# Altium PCB PiTopAIO.PcbDoc
Units mm, origin at the board's own origin, x right, y up, seen from the top; angles counter-clockwise.
Board outline 76.75 x 95.05 mm, 2 copper layers (Top Layer, Bottom Layer), stack 1.671 mm thick; 61 components, 79 nets, 411 pads, 169 vias.
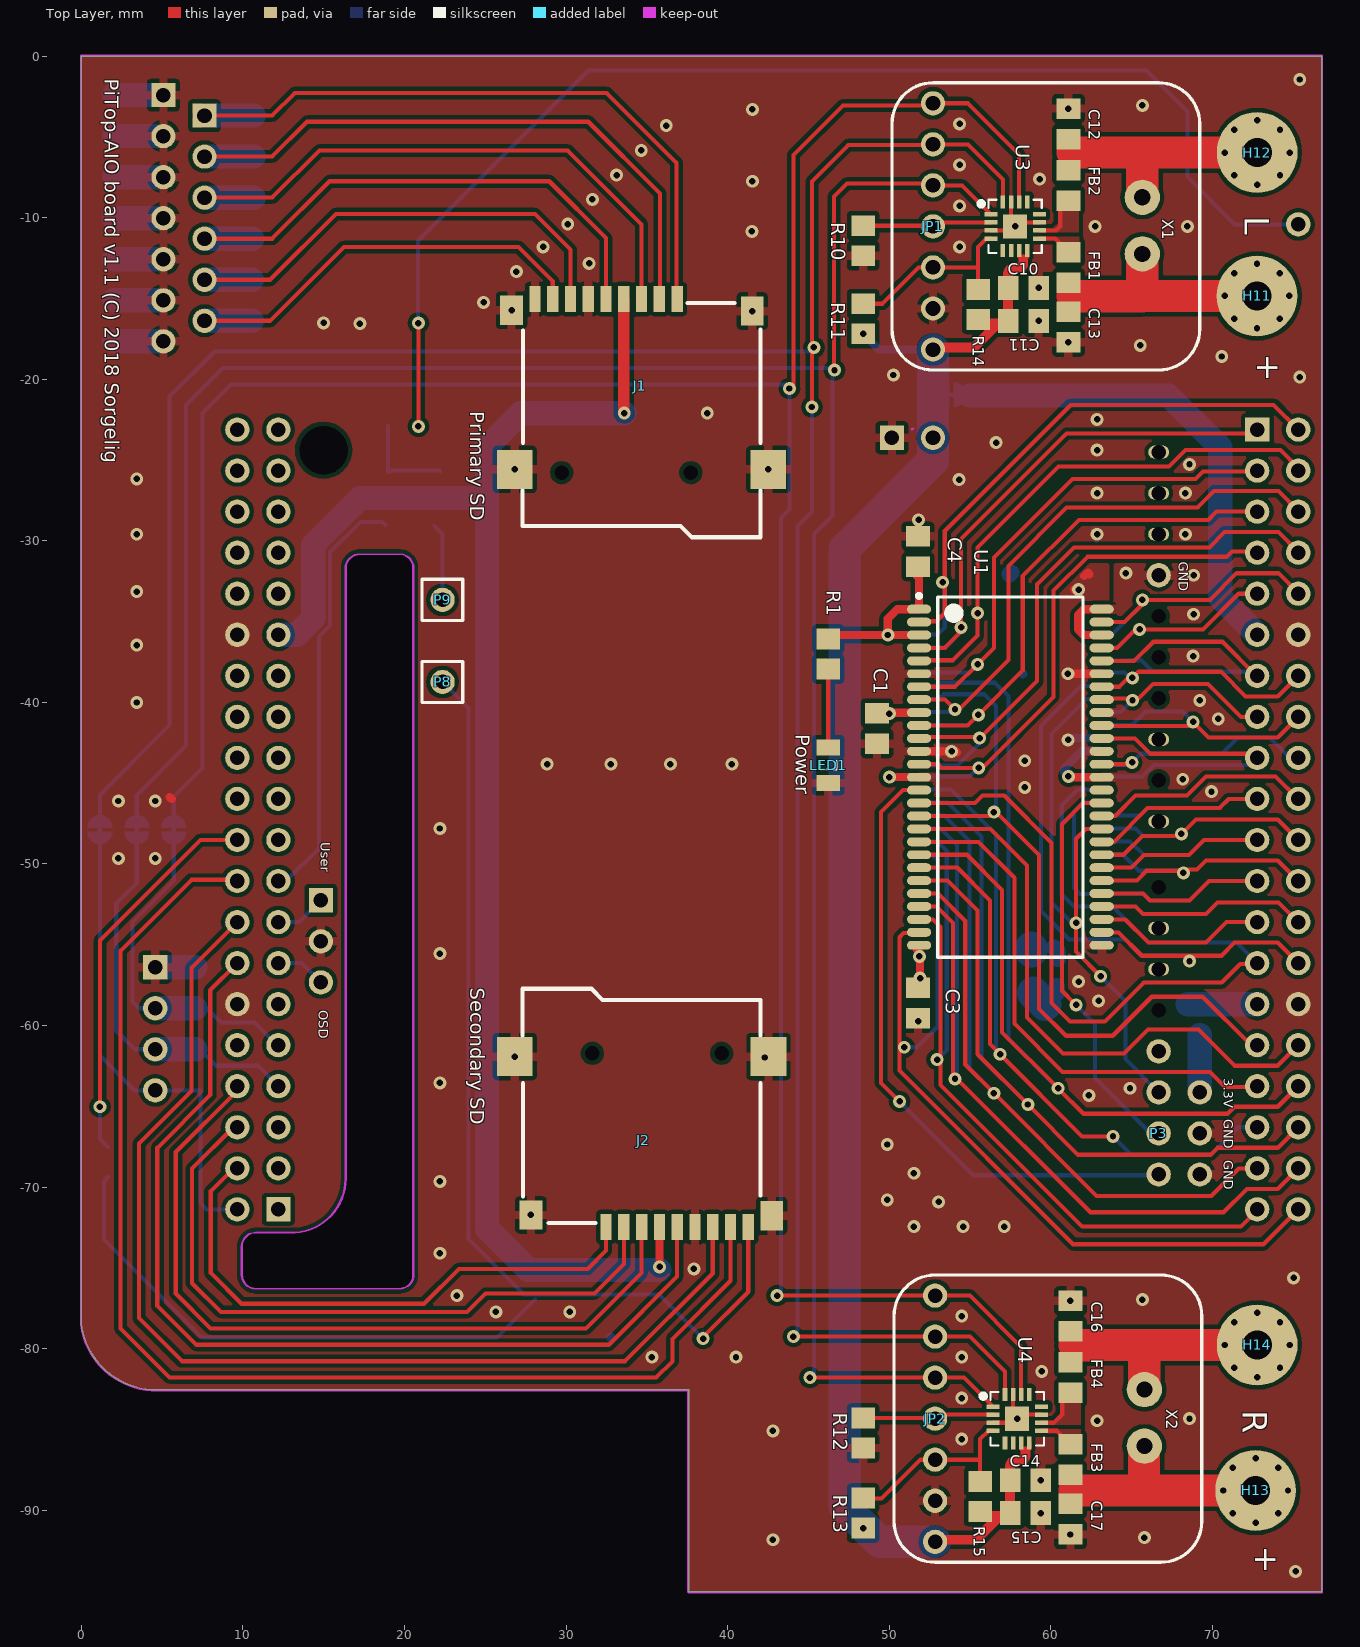
[diagram p0: Top Layer view]
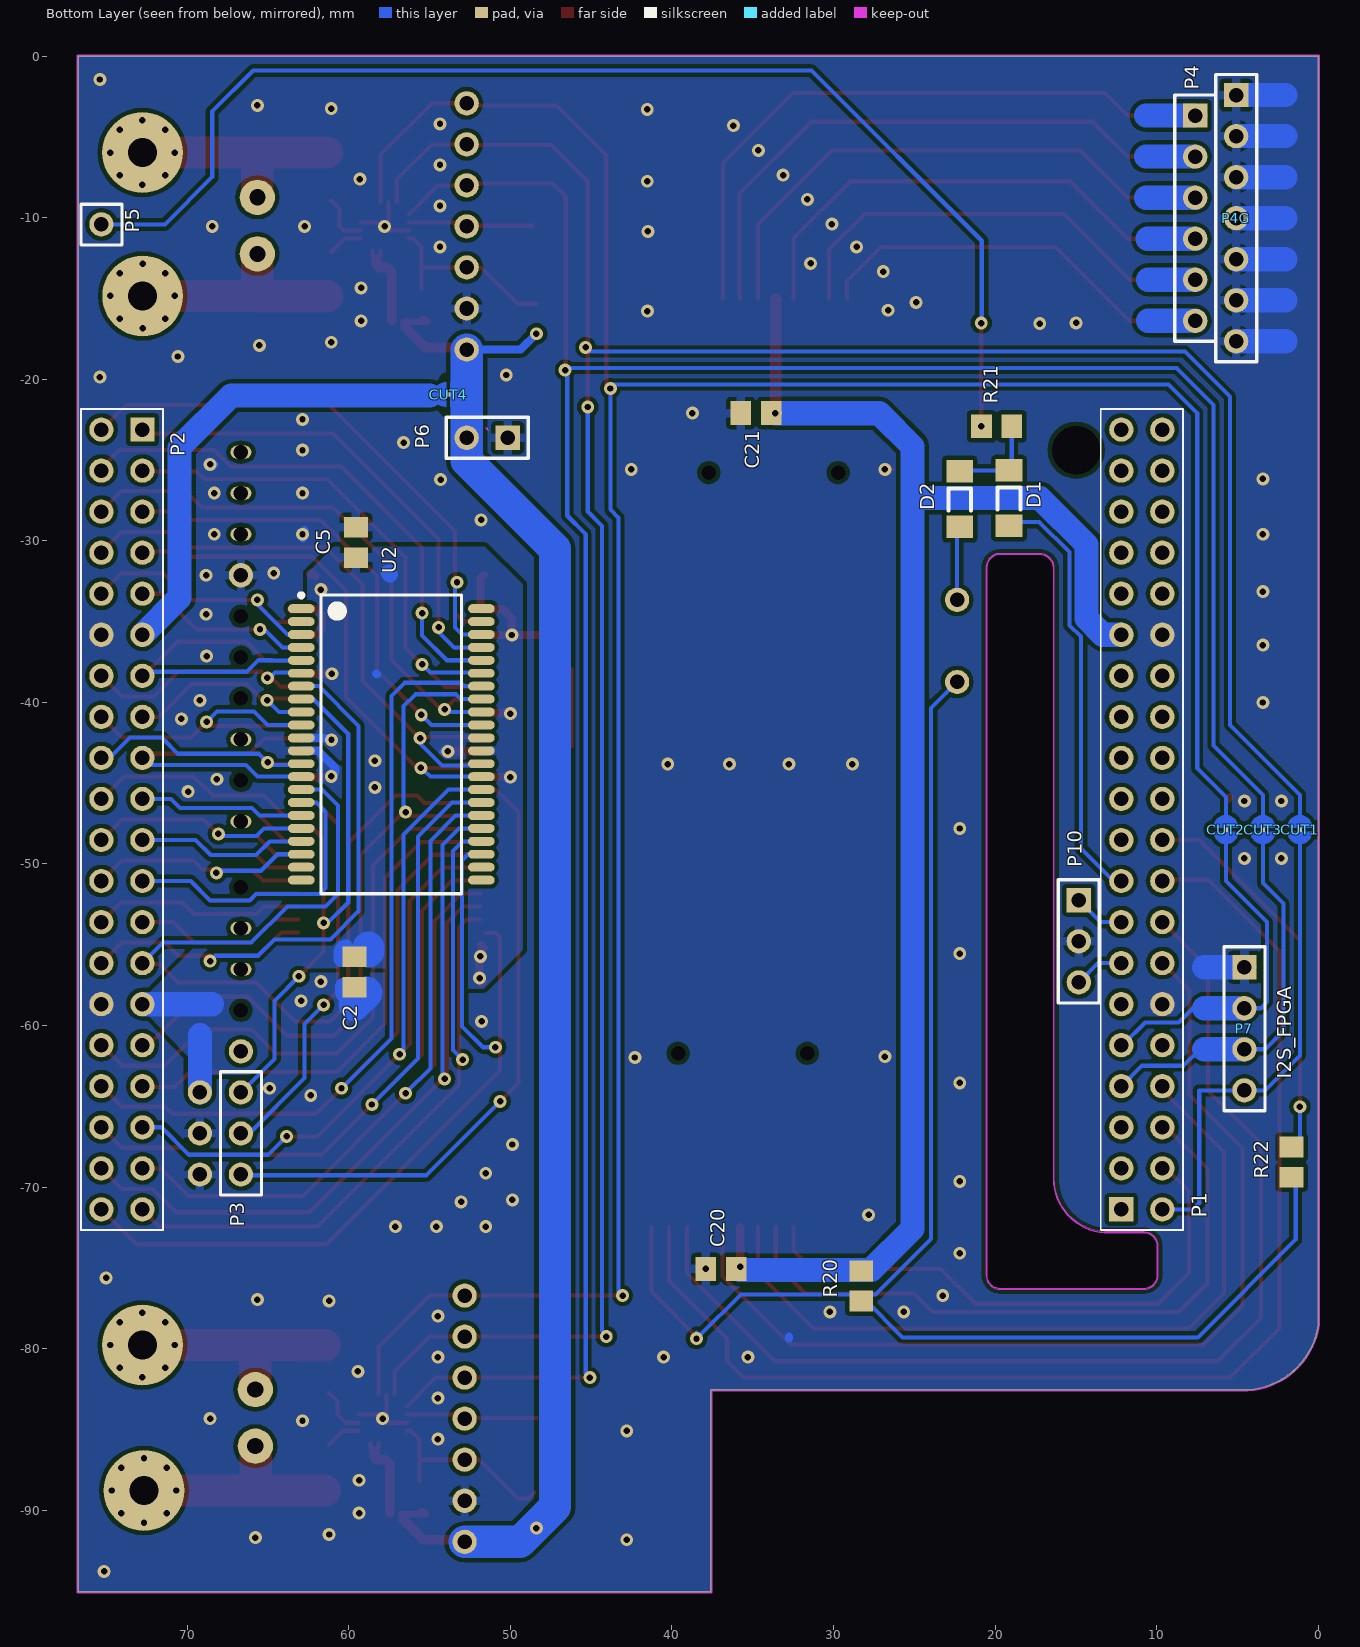
[diagram p1: Bottom Layer view, seen from below]
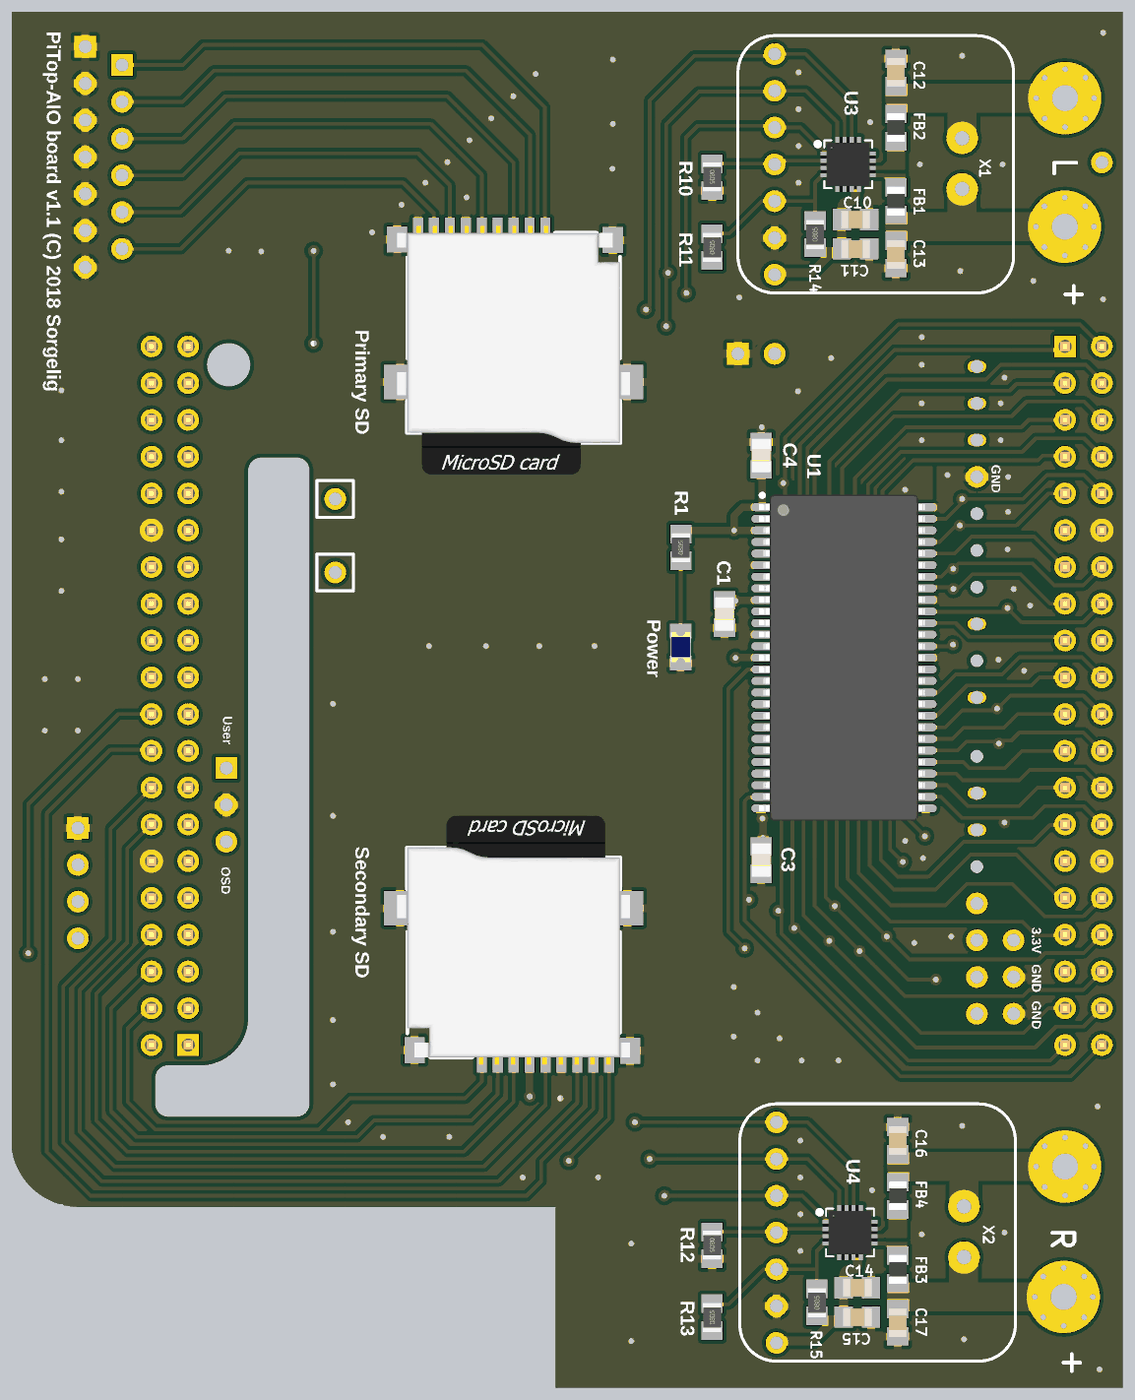
[diagram p2: 3D render of the assembled board from above, using the file's embedded part models]
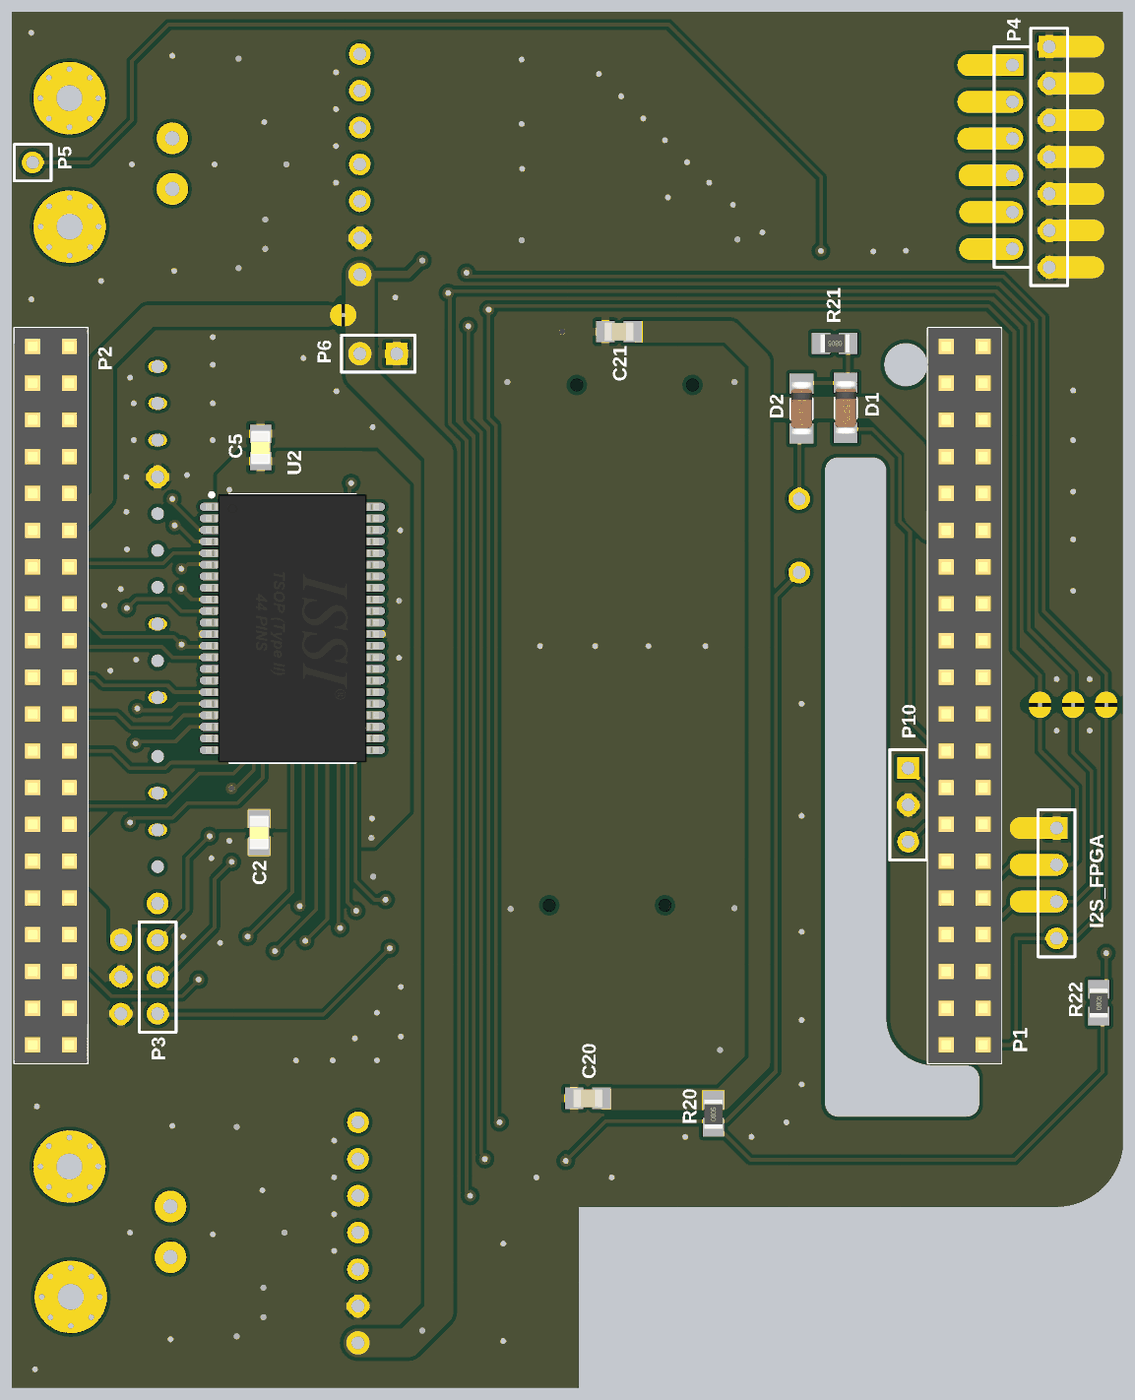
[diagram p3: 3D render of the assembled board from below, using the file's embedded part models]

## Layer stack, top to bottom
Top Solder: solder mask 0.0102, Solder Resist, Dk 3.5
Top Layer: signal copper 0.0356
Dielectric 1: dielectric 1.6, FR-4, Dk 4.8
Bottom Layer: signal copper 0.0356
Bottom Solder: solder mask 0.0102, Solder Resist, Dk 3.5

## Board outline
4.699,-82.55 cw(c4.635,-77.871) 0,-78.513 0,0 76.755,0 76.755,-95.051 37.592,-95.051 37.592,-82.55
cut-out: 9.906,-75.438 9.906,-73.66 cw(c10.795,-73.66) 10.795,-72.771 12.919,-72.771 ccw(c13.025,-69.47) 16.328,-69.477 16.328,-31.695 cw(c17.247,-31.705) 17.236,-30.786 19.65,-30.786 cw(c19.693,-31.666) 20.574,-31.623 20.574,-75.438 cw(c19.685,-75.438) 19.685,-76.327 10.795,-76.327 cw(c10.795,-75.438)

## Design rules (kind name [scope] priority, off if disabled: settings)
BoardOutlineClearance [All] p1: gap=0 ignorepadtopadclearanceinfootprint=FALSE
Clearance keep-out_Clearance [OnLayer('Keep-Out Layer')] p1: gap=0 ignorepadtopadclearanceinfootprint=TRUE
Clearance Clearance_1 [HasFootprint('CUT')] p2 off: gap=0 ignorepadtopadclearanceinfootprint=TRUE
Clearance [All] p3: gap=0.17 ignorepadtopadclearanceinfootprint=TRUE except(0: Arc-Hole Track-Hole SMDPad-Hole THPad-Hole Via-Hole Fill-Hole Poly-Hole Region-Hole Text-Hole; 0.254: Arc-Fill Arc-Poly Arc-Region Track-Fill Track-Poly Track-Region SMDPad-Fill SMDPad-Poly SMDPad-Region THPad-Fill THPad-Poly THPad-Region Via-Fill Via-Poly Via-Region Fill-Fill Fill-Poly Fill-Region Poly-Poly Poly-Region Region-Region)
ComponentClearance [All] p1 off: gap=0.254 collisioncheckmode=3 verticalgap=0.254 showdistances=FALSE
Height [All] p1 off: minheight=0 maxheight=25.4 prefheight=12.7
HoleSize [All] p1: absolutevalues=TRUE maxlimit=5 minlimit=0.025 maxpercent=80.000 minpercent=20.000
MinimumSolderMaskSliver [All] p1: minsoldermaskwidth=0.127
NetAntennae [InNet('Pr*')] p1: netantennaetolerance=5
NetAntennae NetAntennae_1 [All] p2: netantennaetolerance=0
PolygonConnect PolygonConnect_1 [HasFootprint('QFN16_3MM')] p1: connectstyle=Direct reliefconductorwidth=0.5 reliefentries=4 polygonreliefangle="90 Angle" airgapwidth=0.254
PolygonConnect PolygonConnect_comp [(NOT (InNet('GND') OR InNet('VCC') OR InNet('VDD')))] p2: connectstyle=Direct reliefconductorwidth=0.508 reliefentries=4 polygonreliefangle="90 Angle" airgapwidth=0.254
PolygonConnect PolygonConnect_comp_1 [(HasFootprint('MICT-P-54_N') OR HasFootprint('HDR20x2') OR HasFootprint('HDR2x20') OR IsVia)] p3: connectstyle=Direct reliefconductorwidth=0.508 reliefentries=4 polygonreliefangle="90 Angle" airgapwidth=0.254
PolygonConnect [All] p4: connectstyle=Relief reliefconductorwidth=0.55 reliefentries=4 polygonreliefangle="90 Angle" airgapwidth=0.254
RoutingVias [All] p1: holewidth=0.4 width=0.8 viastyle="Through Hole" minholewidth=0.4 minwidth=0.8 maxholewidth=1 maxwidth=2
SilkToSilkClearance [All] p1 off: silktosilkclearance=0.254
SilkToSolderMaskClearance [IsPad] p1 off: minsilkscreentomaskgap=0.254 clearancetoexposedcopper=TRUE
SolderMaskExpansion SolderMaskExpansion_J1 [InComponent('J1')] p1: expansion=0
SolderMaskExpansion [All] p2: expansion=0.051
Width Width_power [InNetClass('power')] p1: maxlimit=2 minlimit=0.254 preferedwidth=0.508 minimp=50.000000 maximp=50.000000 favimp=50.000000
Width Width_signal [All] p2: maxlimit=2 minlimit=0.16 preferedwidth=0.254 minimp=50.000000 maximp=50.000000 favimp=50.000000
23 further rules are at their usual default settings.

## Classes and differential pairs
component class io: C20 C21 D1 D2 J1 J2 P1 P4 P4G P5 P8 P9 P10 R20 R21 R22
net class power: GND VCC VCCIO VDD
component class ram: C1 C2 C3 C4 C5 LED1 P2 P3 R1 U1 U2
component class audio: C10 C11 C12 C13 C14 C15 C16 C17 CUT1 CUT2 CUT3 CUT4 FB1 FB2 FB3 FB4 H11 H12 H13 H14 JP1 JP2 P6 P7 R10 R11 R12 R13 R14 R15 U3 U4 X1 X2

## Components (designator, comment, footprint, x,y, rotation, side; value= is the part's Value field where it differs from the comment)
C1 "C0805" C0805 49.241,-41.603 r90 top value=1uF
C2 "C0805" C0805 59.655,-56.694 r90 bottom value=1uF
C3 "+" C0805 51.781,-58.599 r90 top value=1uF
C4 "C0805" C0805 51.781,-30.659 r270 top value=1uF
C5 "+" C0805 59.563,-30.099 r270 bottom value=1uF
C10 "C0805" C0805 58.293,-14.351 r180 top value=0.1uF
C11 "C0805" C0805 58.293,-16.383 r180 top value=10uF
C12 "C0805" C0805 61.087,-4.191 r270 top value=220pF
C13 "C0805" C0805 61.087,-16.764 r90 top value=220pF
C14 "C0805" C0805 58.42,-88.138 r180 top value=0.1uF
C15 "C0805" C0805 58.42,-90.17 r180 top value=10uF
C16 "C0805" C0805 61.214,-77.978 r270 top value=220pF
C17 "C0805" C0805 61.214,-90.551 r90 top value=220pF
C20 "C0805" C0805 36.957,-75.057 r180 bottom value=10uF
C21 "C0805" C0805 34.798,-22.098 r180 bottom value=10uF
CUT1 "CUT" CUT 1.143,-47.879 r0 bottom
CUT2 "CUT" CUT 5.715,-47.879 r0 bottom
CUT3 "CUT" CUT 3.429,-47.879 r0 bottom
CUT4 "CUT" CUT 53.848,-20.955 r270 bottom
D1 "1N4148" DIODE 19.142,-27.357 r270 bottom
D2 "1N4148" DIODE 22.19,-27.415 r270 bottom
FB1 "Ferrite" FB0805 61.087,-13.081 r270 top
FB2 "Ferrite" FB0805 61.087,-8.001 r90 top
FB3 "Ferrite" FB0805 61.214,-86.868 r270 top
FB4 "Ferrite" FB0805 61.214,-81.788 r90 top
H11 "M3" M3 72.758,-14.846 r0 top locked
H12 "M3" M3 72.771,-5.969 r0 top locked
H13 "M3" M3 72.676,-88.773 r0 top locked
H14 "M3" M3 72.771,-79.769 r0 top locked
J1 "microsd" microsd 34.671,-25.781 r180 top locked
J2 "microsd" microsd 34.674,-61.722 r0 top locked
JP1 "Header 7" HDR1X7#1 52.705,-18.161 r90 top locked
JP2 "Header 7" HDR1X7#1 52.832,-91.948 r90 top locked
LED1 "Power" LEDB0805 46.223,-43.886 r270 top
P1 "GPIO1" HDR20x2 12.192,-71.374 r90 bottom locked
P2 "GPIO0" HDR20x2 72.771,-23.114 r270 bottom locked
P3 "Header 3" HDR1X3#1 66.675,-64.135 r270 top locked
P4 "Header 6" HDR1X6 7.62,-3.683 r270 bottom
P4G "Header 7" HDR1X7#2 5.08,-2.413 r270 bottom
P5 "Header 1" "Header 1" 75.311,-10.414 r90 bottom
P6 "ExtAVDD" HDR1X2 50.165,-23.622 r0 bottom
P7 "I2S_FPGA" HDR1X4 4.572,-56.388 r270 bottom
P8 "Header 1" "Header 1" 22.352,-38.735 r0 top locked
P9 "Header 1" "Header 1" 22.352,-33.655 r0 top locked
P10 "Buttons" HDR1X3#2 14.824,-52.249 r270 bottom
R1 "240" R0805 46.223,-36.999 r90 top
R10 "100K" R0805 48.387,-11.43 r270 top
R11 "1K" R0805 48.387,-16.256 r90 top
R12 "100K" R0805 48.387,-85.217 r270 top
R13 "620K" R0805 48.387,-90.17 r90 top
R14 "1M" R0805 55.499,-15.367 r90 top
R15 "1M" R0805 55.626,-89.154 r90 top
R20 "10K" R0805 28.286,-76.125 r90 bottom
R21 "10K" R0805 19.904,-22.912 r0 bottom
R22 "2K" R0805 1.651,-68.453 r90 bottom
U1 "AS4C16M16SA-6TCN" TSOP54 57.496,-44.629 r0 top locked
U2 "IS61WV20488BLL-10" ISSI-TSOP-2-44_N 57.369,-42.597 r180 bottom locked
U3 "MAX98357A" QFN16_3MM 57.785,-10.541 r0 top
U4 "MAX98357A" QFN16_3MM 57.912,-84.328 r0 top
X1 "TERMBLOCK_1X2" TERMBLOCK_1X2-3.5MM 65.659,-10.541 r90 top locked
X2 "TERMBLOCK_1X2" TERMBLOCK_1X2-3.5MM 65.786,-84.328 r90 top locked

## Footprints (in the part's own frame and the unit in brackets; to place one, negate y for a bottom-side part, rotate by r counter-clockwise, add the part's x,y. Pads: shape width x height; smd on the part's side, far side on the other; paste and mask are expansions set on the pad)
C0805 [mm] "Capacitor, Chip; 2.35 mm L X 1.35 mm W X 1.00 mm H body"
  rect 1.27x1.48 smd: 1(-0.945,0) 2(0.945,0)
  body extent -1.17,-0.67 1.17,0.67, height 1
CUT [mil]
  rect 10x10 smd mask+0: 1(0,0)
  Top Layer region: -29.94,-5 -27.26,-18.33 -18.97,-29.11 -6.77,-35.12 6.83,-35.12 19.03,-29.11 27.32,-18.33 30,-5 30,-5 5,-5 5,5 30,5 27.17,18.17 18.87,28.77 6.76,34.67 -6.71,34.67 -18.82,28.77 -27.12,18.17 -29.95,5 -29.95,5 -5,5 -5,-5
  Top Layer pour cut-out: -30,-25 -39.57,-23.1 -47.68,-17.68 -53.1,-9.57 -55,0 -55,0 -53.1,9.57 -47.68,17.68 -39.57,23.1 -30,25 -30,25 -20.43,23.1 -12.32,17.68 -6.9,9.57 -5,0 -5,0 -6.9,-9.57 -12.32,-17.68 -20.43,-23.1 -30,-25
  Top Layer pour cut-out: 30,-25 20.43,-23.1 12.32,-17.68 6.9,-9.57 5,0 5,0 6.9,9.57 12.32,17.68 20.43,23.1 30,25 30,25 39.57,23.1 47.68,17.68 53.1,9.57 55,0 55,0 53.1,-9.57 47.68,-17.68 39.57,-23.1 30,-25
DIODE [mm] "Diode, Chip; 4.05 mm L X 1.55 mm W X 1.50 mm H body"
  rect 1.4x1.65 smd: 1(1.72,0) 2(-1.72,0)
  silkscreen extent -0.65,-0.7 0.7,0.7, body extent -1.88,-0.8 1.82,0.8, height 1.6
FB0805 [mm] "Ferrite Bead 0805"
  rect 1.27x1.48 smd: 1(-0.945,0) 2(0.945,0)
  body extent -1,-0.62 1,0.63, height 0.83
HDR1X2 [mm] "Connector; Header; 2 Position"
  rect 1.5x1.5 hole 0.9: 1(0,0)
  round 1.5 hole 0.9: 2(2.54,0)
  silkscreen extent -1.27,-1.27 3.81,1.27
HDR1X3#1 [mm] "Connector; Header; 3 Position"
  round 1.5 hole 0.9: 1(0,0) 2(2.54,0) 3(5.08,0)
HDR1X3#2 [mm] "Connector; Header; 3 Position"
  rect 1.5x1.5 hole 0.9: 1(0,0)
  round 1.5 hole 0.9: 2(2.54,0) 3(5.08,0)
  silkscreen extent -1.27,-1.27 6.35,1.27
HDR1X4 [mm] "Connector; Header; 4 Position"
  rect 1.5x1.5 hole 0.9: 1(0,0)
  round 1.5 hole 0.9: 2(2.54,0) 3(5.08,0) 4(7.62,0)
  silkscreen extent -1.27,-1.27 8.89,1.27
HDR1X6 [mm] "Connector; Header; 6 Position"
  rect 1.5x1.5 hole 0.9: 1(0,0)
  round 1.5 hole 0.9: 2(2.54,0) 3(5.08,0) 4(7.62,0) 5(10.16,0) 6(12.7,0)
  silkscreen extent -1.27,-1.27 13.97,1.27
HDR1X7#1 [mm] "Connector; Header; 7 Position"
  round 1.5 hole 0.9: 1(0,0) 2(2.54,0) 3(5.08,0) 4(7.62,0) 5(10.16,0) 6(12.7,0) 7(15.24,0)
HDR1X7#2 [mm] "Connector; Header; 7 Position"
  rect 1.5x1.5 hole 0.9: 1(0,0)
  round 1.5 hole 0.9: 2(2.54,0) 3(5.08,0) 4(7.62,0) 5(10.16,0) 6(12.7,0) 7(15.24,0)
  silkscreen extent -1.27,-1.27 16.51,1.27
HDR20x2 [mm] "Header, Vertical Receptacle, 2.54 mm pitch; 0.65 mm lead width, 40 pins, 2 rows, 20 pins per row, 50.80 mm L X 5.08 mm W X 11.00 mm H body"
  rect 1.5x1.5 hole 0.9 paste-1.5: 1(0,0)
  round 1.5 hole 0.9 paste-1.5: 2(0,-2.54) 3(2.54,0) 4(2.54,-2.54) 5(5.08,0) 6(5.08,-2.54) 7(7.62,0) 8(7.62,-2.54) 9(10.16,0) 10(10.16,-2.54) 11(12.7,0) 12(12.7,-2.54) 13(15.24,0) 14(15.24,-2.54) 15(17.78,0) 16(17.78,-2.54) 17(20.32,0) 18(20.32,-2.54) 19(22.86,0) 20(22.86,-2.54) 21(25.4,0) 22(25.4,-2.54) 23(27.94,0) 24(27.94,-2.54) 25(30.48,0) 26(30.48,-2.54) 27(33.02,0) 28(33.02,-2.54) 29(35.56,0) 30(35.56,-2.54) 31(38.1,0) 32(38.1,-2.54) 33(40.64,0) 34(40.64,-2.54) 35(43.18,0) 36(43.18,-2.54) 37(45.72,0) 38(45.72,-2.54) 39(48.26,0) 40(48.26,-2.54)
  silkscreen extent -1.27,-3.81 49.53,1.27, body extent -1.27,-3.81 49.53,1.27, height 11
"Header 1" [mm]
  round 1.5 hole 0.9: 1(0,0)
  silkscreen extent -1.27,-1.27 1.25,1.27
ISSI-TSOP-2-44_N [mm] "SOP, 44-Leads, Body 18.5x10.3mm, Pitch 0.8mm, IPC Medium Density"
  oval 1.65x0.55 smd mask+0.051: 1(-5.575,8.4) 2(-5.575,7.6) 3(-5.575,6.8) 4(-5.575,6) 5(-5.575,5.2) 6(-5.575,4.4) 7(-5.575,3.6) 8(-5.575,2.8) 9(-5.575,2) 10(-5.575,1.2) 11(-5.575,0.4) 12(-5.575,-0.4) 13(-5.575,-1.2) 14(-5.575,-2) 15(-5.575,-2.8) 16(-5.575,-3.6) 17(-5.575,-4.4) 18(-5.575,-5.2) 19(-5.575,-6) 20(-5.575,-6.8) 21(-5.575,-7.6) 22(-5.575,-8.4) 23(5.575,-8.4) 24(5.575,-7.6) 25(5.575,-6.8) 26(5.575,-6) 27(5.575,-5.2) 28(5.575,-4.4) 29(5.575,-3.6) 30(5.575,-2.8) 31(5.575,-2) 32(5.575,-1.2) 33(5.575,-0.4) 34(5.575,0.4) 35(5.575,1.2) 36(5.575,2) 37(5.575,2.8) 38(5.575,3.6) 39(5.575,4.4) 40(5.575,5.2) 41(5.575,6) 42(5.575,6.8) 43(5.575,7.6) 44(5.575,8.4)
  silkscreen extent -5.7,-9.25 4.35,9.35, body extent -5.98,-9.26 5.98,9.26, height 1.2
LEDB0805 [mm] "LED, Chip; 2.35 mm L X 1.35 mm W X 1.00 mm H body"
  rect 1x1.48 smd: 1(-1.1,0) 2(1.1,0)
  Top Layer pour cut-out: -0.762,0.889 0.762,0.889 0.762,-0.889 -0.762,-0.889
  silkscreen extent -0.25,-0.51 0.25,0.51, body extent -1.05,-0.67 1.05,0.68, height 0.89
M3 [mm] "Mounting Hole, Plated; 5.00 mm Pad, 3.00 mm Hole (with 8 vias)"
  round 0.6 hole 0.4 paste-0.6 mask-0.6: 1(-2,0) 1(-1.41,-1.41) 1(-1.41,1.41) 1(0,-2) 1(1.41,-1.41) 1(1.41,1.41) 1(2,0)
  round 5 hole 1.8: 1(0,0)
  round 0.6 hole 0.4 paste-0.4 mask-0.4: 1(0,2)
microsd [mm]
  rect 0.7x1.6 smd: 1(-2.2,-10.75) 2(-1.1,-10.75) 3(0,-10.75) 4(1.1,-10.75) 5(2.2,-10.75) 6(3.3,-10.75) 7(4.4,-10.75) 8(5.5,-10.75) 9(6.6,-10.75)
  rect 1.4x1.8 smd: 10(8.05,-10.05) 13(-6.85,-10)
  rect 2.2x2.4 smd: 11(7.85,-0.2) 12(-7.85,-0.2)
  round 0 hole 0.9 unplated mask-0.9: ""(-3.05,0) ""(4.95,0)
  silkscreen extent -7.37,-10.5 7.37,4, body extent -8.05,-11 8.05,6.2, height 2.2
QFN16_3MM [mil] "QFN16_3MM"
  rect 31.5x11.02 smd mask+0: 1(-59.06,29.53) 2(-59.06,9.84) 3(-59.06,-9.84) 4(-59.06,-29.53) 9(59.06,-29.53) 10(59.06,-9.84) 11(59.06,9.84) 12(59.06,29.53)
  rect 11.02x31.5 smd mask+0: 5(-29.53,-59.06) 6(-9.84,-59.06) 7(9.84,-59.06) 8(29.53,-59.06) 13(29.53,59.06) 14(9.84,59.06) 15(-9.84,59.06) 16(-29.53,59.06)
  rect 59.06x59.06 smd paste-29.53: THERMAL(0,0)
  silkscreen extent -88,-65 65,65, body extent -59,-59 59,59, height 36
R0805 [mm] "Resistor, Chip; 2.32 mm L X 1.25 mm W X 1.00 mm H body"
  rect 1.29x1.47 smd: 1(-0.93,0) 2(0.93,0)
  body extent -1.03,-0.62 0.97,0.63, height 0.42
TERMBLOCK_1X2-3.5MM [mil] "TERMBLOCK_1X2-3.5MM"
  round 86 hole 39.37: 1(70.87,0) 2(-66.93,0)
TSOP54 [mm] "SOP, 54-Leads, Body 22.3x10.2mm, Pitch 0.8mm, IPC Medium Density"
  oval 1.5x0.55 smd: 1(-5.65,10.4) 2(-5.65,9.6) 3(-5.65,8.8) 4(-5.65,8) 5(-5.65,7.2) 6(-5.65,6.4) 7(-5.65,5.6) 8(-5.65,4.8) 9(-5.65,4) 10(-5.65,3.2) 11(-5.65,2.4) 12(-5.65,1.6) 13(-5.65,0.8) 14(-5.65,0) 15(-5.65,-0.8) 16(-5.65,-1.6) 17(-5.65,-2.4) 18(-5.65,-3.2) 19(-5.65,-4) 20(-5.65,-4.8) 21(-5.65,-5.6) 22(-5.65,-6.4) 23(-5.65,-7.2) 24(-5.65,-8) 25(-5.65,-8.8) 26(-5.65,-9.6) 27(-5.65,-10.4) 28(5.65,-10.4) 29(5.65,-9.6) 30(5.65,-8.8) 31(5.65,-8) 32(5.65,-7.2) 33(5.65,-6.4) 34(5.65,-5.6) 35(5.65,-4.8) 36(5.65,-4) 37(5.65,-3.2) 38(5.65,-2.4) 39(5.65,-1.6) 40(5.65,-0.8) 41(5.65,0) 42(5.65,0.8) 43(5.65,1.6) 44(5.65,2.4) 45(5.65,3.2) 46(5.65,4) 47(5.65,4.8) 48(5.65,5.6) 49(5.65,6.4) 50(5.65,7.2) 51(5.65,8) 52(5.65,8.8) 53(5.65,9.6) 54(5.65,10.4)
  silkscreen extent -5.77,-11.15 4.5,11.35, body extent -5.88,-11.25 5.88,11.27, height 1

## Part data
C1 C2 C4 C10 C11 C12 C13 C14 C15 C16 C17 C20 C21: "Ceramic Chip Capacitor - Standard", PackageDocument=Mar-2001, Code_IPC=2012[0805], Code_JEITA=0805, ComponentLink1Description="Manufacturer Link", ComponentLink1URL=http://www.kemet.com/, ComponentLink2Description=Datasheet, ComponentLink2URL=http://www.kemet.com/kemet/web/homepage/kechome.nsf/vapubfilesname/F3102TA.pdf/$file/F3102TA.pdf, DatasheetDocument=Mar-2001, LatestRevisionDate=19-Mar-2004, LatestRevisionNote="Silkscreen size reduced.", Note="Footprint corresponds to dimensions for bulk cassette packaging. This case size has tightened tolerances.", PackageReference=0805, Published=17-Jul-2002, Publisher="Altium Limited"
C3 C5: library part C0805, "Ceramic Chip Capacitor - Standard", PackageDocument=Mar-2001, Code_IPC=2012[0805], Code_JEITA=0805, ComponentLink1Description="Manufacturer Link", ComponentLink1URL=http://www.kemet.com/, ComponentLink2Description=Datasheet, ComponentLink2URL=http://www.kemet.com/kemet/web/homepage/kechome.nsf/vapubfilesname/F3102TA.pdf/$file/F3102TA.pdf, DatasheetDocument=Mar-2001, LatestRevisionDate=19-Mar-2004, LatestRevisionNote="Silkscreen size reduced.", Note="Footprint corresponds to dimensions for bulk cassette packaging. This case size has tightened tolerances.", PackageReference=0805, Published=17-Jul-2002, Publisher="Altium Limited"
D1 D2: library part Diode, "Default Diode", Code_JEDEC=DO-214-AB, LatestRevisionDate=17-Jul-2002, LatestRevisionNote="Re-released for DXP Platform.", PackageDescription="DO-214-AB/SMC; 2 C-Bend Leads; Body 7.9 x 5.9 mm, inc. leads (LxW)", PackageReference=SMC, PackageVersion=Sep-1996, Published=8-Jun-2000, Publisher="Altium Limited"
FB1 FB2 FB3 FB4: library part FERRITE-0805NO, "Ferrite Bead   0603 MMZ1608B121C - 120 Ohm @ 100MHz, 600mA, 0.15 Ohm DC Resistance - Digikey: 445-2164-1-ND  BK1608HW121-T - 120 Ohm, 600mA Ferrite Chip - Digikey: 587-1876-2-ND       0805 HZ0805B272R-10 - 2.7K Ohm @ 100MHz, 200mA, 0.8 Ohm DC Resistance - Digikey: 240-2504-1-ND (see also Murata BLM21BD272SN1L)  MMZ2012Y152B - 1.5K Ohm @ 100MHz, 500mA, 0.4 Ohm DC Resistance - Digikey: 445-1560-1-ND - Mainly for high frequency (80-400MHz)  MMZ2012R102A - 1K Ohm @ 100MHz, 500mA, 0.3 Ohm DC Resistance - Digikey: 445-1555-2-ND - More general purpose (10-200MHz)"
JP1 JP2 P4G: "Header, 7-Pin", LatestRevisionDate=17-Jul-2002, LatestRevisionNote="Re-released for DXP Platform.", Publisher="Altium Limited"
LED1: library part LED2, "Typical RED, GREEN, YELLOW, AMBER GaAs LED", LatestRevisionDate=17-Jul-2002, LatestRevisionNote="Re-released for DXP Platform.", PackageDescription="SM LED; 2 Flat Leads", PackageReference=3.2X1.6X1.1, PackageVersion=Feb-2002, Published=8-Jun-2000, Publisher="Altium Limited"
P1 P2: library part "Header 20X2", "Header, 20-Pin, Dual row", LatestRevisionDate=17-Jul-2002, LatestRevisionNote="Re-released for DXP Platform.", Publisher="Altium Limited"
P3: "Header, 3-Pin", LatestRevisionDate=17-Jul-2002, LatestRevisionNote="Re-released for DXP Platform.", Publisher="Altium Limited"
P4: "Header, 6-Pin", LatestRevisionDate=17-Jul-2002, LatestRevisionNote="Re-released for DXP Platform.", Publisher="Altium Limited"
P6: library part "Header 2", "Header, 2-Pin", LatestRevisionDate=17-Jul-2002, LatestRevisionNote="Re-released for DXP Platform.", Publisher="Altium Limited"
P7: library part "Header 4", "Header, 4-Pin", LatestRevisionDate=17-Jul-2002, LatestRevisionNote="Re-released for DXP Platform.", Publisher="Altium Limited"
P10: library part "Header 3", "Header, 3-Pin", LatestRevisionDate=17-Jul-2002, LatestRevisionNote="Re-released for DXP Platform.", Publisher="Altium Limited"
R1 R10 R11 R12 R13 R14 R15 R20 R21 R22: library part ERJ6RS, "Low Ohmic Value Thick Film Chip Resistor, 0.1 Ohm to 0.2 Ohm Range, 1%, 2% and 5% Tolerance, 0805 Size, 0.125 W", PackageDocument=Mar-2003, Code_IPC="2012 [0805]", ComponentLink1Description="Manufacturer Link", ComponentLink1URL=http://www.panasonic.com/industrial/components/resistive_products.htm, ComponentLink2Description=Datasheet, ComponentLink2URL=http://www.panasonic.com/industrial/components/pdf/AOA0000CE3.pdf, LatestRevisionDate=19-Mar-2004, LatestRevisionNote="Silkscreen size reduced.", PackageReference=6-0805, Published=17-Dec-2003, Publisher="Altium Limited"
U1: "256Mb SDR SDRAM, 16Mb x 16, 6ns, 3.3V, 54-Pin TSOP", Manufacturer=Micron, Op. Temp.="0C to +70C", PartNumber=MT48LC16M16A2P-6A, Voltage=3.3V, CL="CL = 3", Clock Rate="167 MHz", ComponentLink1Description="Manufacturer URL", ComponentLink1URL=http://www.micron.com/, ComponentLink2Description=Datasheet, ComponentLink2URL=http://www.micron.com/~/media/Documents/Products/Data%20Sheet/DRAM/256Mb_sdr.pdf, ComponentLink3Description="Package Specification", ComponentLink3URL=http://www.micron.com/~/media/Documents/Products/Data%20Sheet/DRAM/128mb_x4x8x16_sdram.pdf, Cycle Time=6ns, Data Rate=PC133, DatasheetVersion=Rev.Q, Density=256Mb, Depth=16Mb, Mounting Technology="Surface Mount", PackageDescription="54-Pin Thin Small Outline Package, 10.16 x 22.22 mm, Pitch 0.8 mm", PackageReference=MICT-P-54, PackageVersion=Rev.Q, RoHS=Yes, Width=x16
U2: library part IS61WV20488BLL-10TI, "16 M High Speed CMOS SRAM, 2 M x 8, -40 to 85 degC, 44-Pin SOP (TSOP-2-44)", Manufacturer="Integrated Silicon Solution Inc (ISSI)", ComponentLink1Description="Manufacturer URL", ComponentLink1URL=http://www.issi.com/US/index.shtml, ComponentLink2Description=Datasheet, ComponentLink2URL=http://www.issi.com/WW/pdf/61-64WV20488.pdf, ComponentLink3Description="Package Specification", ComponentLink3URL=http://www.issi.com/WW/pdf/61-64WV6416EEBLL.pdf, DatasheetVersion="Rev. B", Mounting Technology="Surface Mount", Organization="2M x 8", PackageDescription="44-Pin 400 mil TSOP-2, Body 18.41 x 10.16 mm, Pitch 0.8 mm", PackageReference=TSOP-2-44, PackageVersion="Rev. F, 06/2008", Packing="Tray / Tube", PartNumber=IS61WV20488BLL-10TI, Speed (ns)=10
U3 U4: library part MAX98357, "MAX98357 - 3.2W I2S Mono Audio Amp", VDD:Op.Temp="VDD:  / Op. Temp:"
X1 X2: "3.5mm Terminal block    http://www.ladyada.net/library/pcb/eaglelibrary.html"
